# Altium PCB HIL_RIG_REV_1_2.PcbDoc (part 7 of 14)
Units mil, origin at the board's own origin, x right, y up, seen from the top; angles counter-clockwise.
Board outline 9845 x 7590 mil, 6 copper layers (Top Layer, Int1 (GND), Int2 (PWR), Int3 (Sign), Int4 (GND), Bottom Layer), stack 60.566 mil thick; 1465 components, 731 nets, 4058 pads, 3944 vias.
Unrouted connection lines stored in the file: 1754.
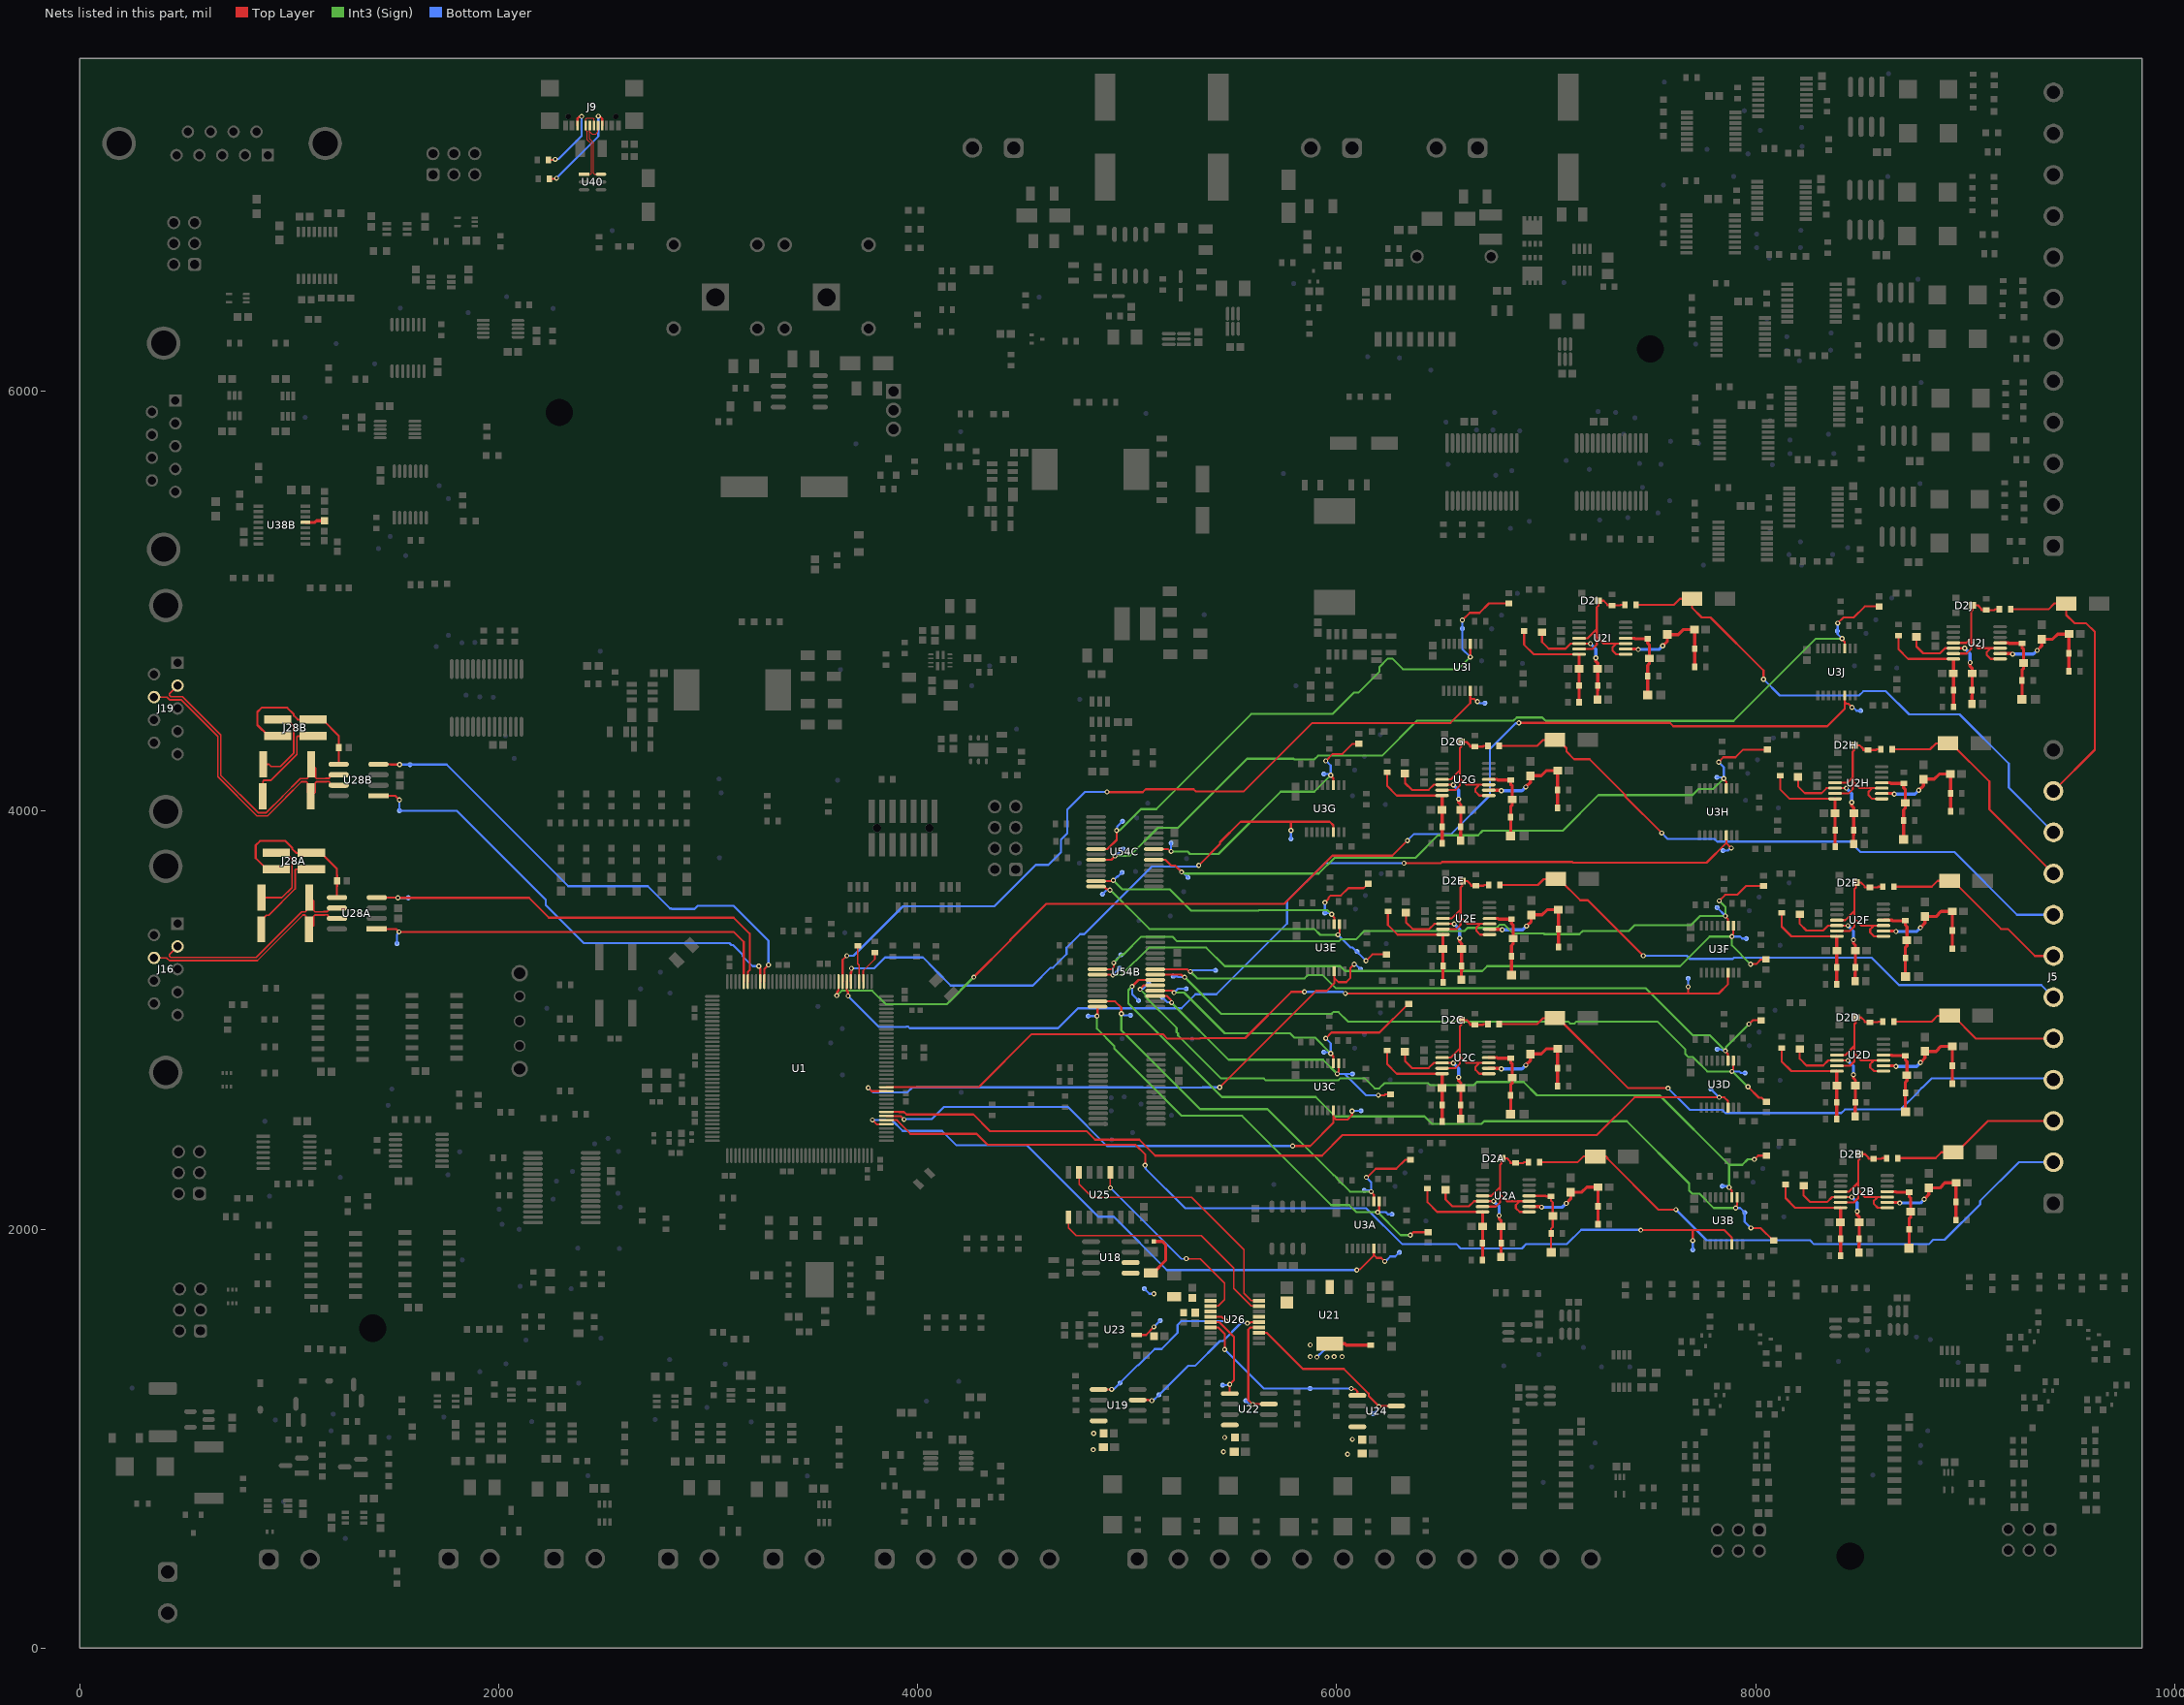
[diagram p11: the nets of this part, all layers, seen from the top]

## Via types
v1: diameter 24, hole 12, Top Layer to Bottom Layer, tented both sides, 3944 vias

## Nets (pads, with @x,y where several pads share a name; then routed paths per layer and width w, separated by ;. In a path a pad name is that pad's centre, name@x,y a point inside that pad or via, vN(x,y) a via of type N, cw(c..) or ccw(c..) an arc to the next point about the centre after c; other vN are vias at no path point) (continued)
C2_PlusB: C103B.1 U38B.5 | length 94.6
  Top Layer w15: U38B.5@1077.56,5374.79 1122.79,5374.79 1130.36,5382.36 C103B.1@1169,5382.36
CAN_Comon_nodeA: C91A.1 J28A.2 J28A.3 U28A.5 | length 773.7
  Top Layer w10: J28A.2@938.09,3718.63 893.21,3718.63 840.15,3771.69 840.15,3834 860.15,3854 982.06,3854 1014.05,3822.01 1014.05,3816.56 1033.24,3797.37 J28A.3@1106.2,3797.37 1151.08,3797.37 1228.15,3720.31 1228.15,3690.09 1228.52,3689.72 C91A.1@1228.52,3664 1228.52,3638.28 1228.15,3637.91 U28A.5@1228.15,3584
CAN_Comon_nodeB: C91B.1 J28B.2 J28B.3 U28B.5 | length 773.7
  Top Layer w10: J28B.2@946.09,4354.63 901.21,4354.63 848.15,4407.69 848.15,4470 868.15,4490 990.06,4490 1022.05,4458.01 1022.05,4452.56 1041.24,4433.37 J28B.3@1114.2,4433.37 1159.08,4433.37 1236.15,4356.31 1236.15,4326.09 1236.52,4325.72 C91B.1@1236.52,4300 1236.52,4274.28 1236.15,4273.91 U28B.5@1236.15,4220
CAN_OUTA_H: J16.7 R83A.1 U28A.7 | length 1087
  Top Layer w8: J16.7@355,3295.95 414.99,3295.95 427.84,3283.1 848.32,3283.1 1065.71,3500.5 1074.33,3500.5 1080.12,3494.71 1080.12,3450.03 1098.15,3432 1116.18,3450.03 1116.18,3494.71 1121.96,3500.5 1170.55,3500.5 1171.55,3501.5 1181.63,3501.5 1186.31,3496.81 1186.31,3493.94 1196.25,3484 U28A.7@1228.15,3484
CAN_OUTA_L: J16.2 R84A.1 U28A.6 | length 1073.9
  Top Layer w8: J16.2@466.81,3350.47 427.56,3311.22 427.56,3304.59 434.05,3298.1 842.1,3298.1 1059.5,3515.5 1075.95,3515.5 1081.74,3521.29 1081.74,3565.97 1099.76,3584 1117.79,3565.97 1117.79,3521.29 1123.58,3515.5 1164.34,3515.5 1165.34,3516.5 1181.63,3516.5 1186.31,3521.19 1186.31,3524.06 1196.25,3534 U28A.6@1228.15,3534
CAN_OUTB_H: J19.7 R83B.1 U28B.7 | length 1415.8
  Top Layer w8: J19.7@355,4540.95 415.7,4540.95 428.54,4528.1 484.08,4528.1 658.96,4353.22 658.96,4160.87 845.84,3974 896.66,3974 983.08,4060.42 983.08,4061.02 1058.89,4136.84 1083.23,4136.84 1087.92,4132.15 1087.92,4086.23 1106.15,4068 1124.18,4086.03 1124.18,4130.71 1129.96,4136.5 1178.55,4136.5 1179.55,4137.5 1189.63,4137.5 1194.31,4132.81 1194.31,4129.94 1204.25,4120 U28B.7@1236.15,4120
CAN_OUTB_L: J19.2 R84B.1 U28B.6 | length 1401.3
  Top Layer w8: J19.2@466.81,4595.47 427.91,4556.57 427.91,4549.95 434.76,4543.1 490.29,4543.1 673.96,4359.43 673.96,4167.09 852.05,3989 890.45,3989 968.08,4066.63 968.08,4067.24 1052.68,4151.84 1084.85,4151.84 1089.54,4156.52 1089.54,4201.77 1107.76,4220 1125.79,4201.97 1125.79,4157.29 1131.58,4151.5 1172.34,4151.5 1173.34,4152.5 1189.63,4152.5 1194.31,4157.19 1194.31,4160.06 1204.25,4170 U28B.6@1236.15,4170
CAN_RX_CH1: TP113A.1 U1.139 U28A.4 | length 2134
  Top Layer w10: U28A.4@1418.19,3584 1517.56,3584 v1(1519,3582.56) 2145.44,3582.56 2240,3488 3122,3488 3198,3412 3198,3238 3189.29,3229.29 U1.139@3189.29,3182.66
  Bottom Layer w10: v1(1519,3582.56) TP113A.1@1569,3582.56
CAN_RX_CH2: TP113B.1 U1.135 U28B.4 | length 2426.6
  Top Layer w10: U28B.4@1426.19,4220 1482.8,4220 1484.24,4218.56 v1(1527,4218.56) ; U1.135@3268.03,3182.66 3268.02,3242.02 v1(3288,3262)
  Bottom Layer w10: v1(1527,4218.56) 1752.08,4218.56 2332.21,3638.43 2711.57,3638.43 2818,3532 2824.64,3532 2827.64,3529 2935,3529 2950,3544 3122,3544 3288,3378 v1(3288,3262)
CAN_TermA_H: J28A.1 R83A.2 | length 435.8
  Top Layer w8: R83A.2@866.28,3432 866.28,3475.31 890.79,3499.83 902.26,3499.83 1028.05,3625.62 1028.05,3713.94 1032.74,3718.63 J28A.1@1106.2,3718.63
CAN_TermA_L: J28A.4 R84A.2 | length 391.5
  Top Layer w8: R84A.2@864.53,3584 965.22,3584 1013.05,3631.83 1013.05,3742.11 1013.39,3742.45 1013.39,3766.95 982.97,3797.37 J28A.4@938.09,3797.37
CAN_TermB_H: J28B.1 R83B.2 | length 448.6
  Top Layer w8: R83B.2@874.28,4068 874.28,4138.17 880.11,4144 913.41,4144 1036.05,4266.64 1036.05,4268.05 1036.05,4349.94 1040.74,4354.63 J28B.1@1114.2,4354.63
CAN_TermB_L: J28B.4 R84B.2 | length 396.8
  Top Layer w8: R84B.2@872.53,4220 903.66,4220 913.66,4210 958.2,4210 1021.05,4272.85 1021.05,4378.11 1021.39,4378.45 1021.39,4402.95 990.97,4433.37 J28B.4@946.09,4433.37
CAN_TX_CH1: TP112A.1 U1.140 U28A.1 | length 2027
  Top Layer w10: U28A.1@1418.19,3434 1509.72,3434 1523.72,3420 3122,3420 3169.61,3372.39 U1.140@3169.61,3182.66
  Bottom Layer w10: TP112A.1@1514.43,3363.66 1514.43,3406.64 1524,3416.21 v1(1524,3420)
CAN_TX_CH2: TP112B.1 U1.136 U28B.1 | length 2278.9
  Top Layer w10: U28B.1@1426.19,4070 1506,4070 v1(1526,4050) ; v1(3242,3256) 3242,3252.21 3248.35,3245.87 U1.136@3248.35,3182.66
  Bottom Layer w10: v1(1526,4050) TP112B.1@1526,3998 1800.63,3998 2225,3573.63 2225,3547.64 2406.64,3366 3102,3366 3111,3357 3118.36,3357 3165,3310.36 3165,3303 3212,3256 v1(3242,3256)
CC1: J9.A5 R114.2 | length 468.5
  Top Layer w10: R114.2@2242.64,7015.56 2273.56,7015.56 v1(2276,7018) ; v1(2476,7314) 2478.68,7311.32 2485.2,7311.32 2494.21,7302.31 J9.A5@2494.21,7270.12
  Bottom Layer w10: v1(2276,7018) 2476,7218 v1(2476,7314)
CC2: J9.B5 R113.2 | length 355.2
  Top Layer w10: R113.2@2237.64,7105.56 2267.56,7105.56 v1(2270,7108) ; J9.B5@2376.1,7270.12 2376.1,7302.75 2383.42,7310.08 2393.32,7310.08 v1(2396,7312.76)
  Bottom Layer w10: v1(2270,7108) 2272.09,7110.09 2286.09,7110.09 2396,7220 v1(2396,7312.76)
CON_D_N: J9.A7 J9.B7 U40.6 | length 353.5
  Top Layer w5.45: J9.A7@2435.16,7270.12 2435.16,7242.13 2434.22,7241.19 ; J9.B7@2474.53,7270.12 2474.53,7239.48 2465.05,7230 2445.41,7230 2434.22,7241.19 ; U40.6@2488.37,7037.4 2456.91,7037.4 2453.72,7040.59 2453.72,7186.8 2434.22,7206.3 2434.22,7241.19
CON_D_P: J9.A6 J9.B6 U40.1 | length 381.8
  Top Layer w5.45: U40.1@2407.63,7037.4 2439.09,7037.4 2442.28,7040.59 2442.28,7182.06 2422.78,7201.56 2422.78,7241.19 2421.84,7242.13 2421.84,7242.56 2418.65,7245.74 2418.65,7266.94 J9.B6@2415.47,7270.12 2415.47,7300.76 2420.72,7306 2450,7306 2454.84,7301.16 J9.A6@2454.84,7270.12
CONSOLE_RX_mcu: R76.1 U1.112 | length 172.9
  Top Layer w8: R76.1@3714,3352.72 3714,3268.41 3720.79,3261.63 U1.112@3720.79,3182.66
CONSOLE_TX_mcu: R66.1 U1.111 | length 161.7
  Top Layer w8: U1.111@3740.47,3182.66 3740.47,3234.47 3796,3290 R66.1@3796,3321.36
DAC_nCS: U25.3 U26.3 | length 968.7
  Top Layer w6.12: v1(4920,2198) U25.3@4920,2272.57 ; v1(5282,1860) 5350,1860 5466,1744 5466,1664.25 5435.37,1633.62 U26.3@5398.33,1633.62
  Bottom Layer w6.12: v1(4920,2198) 5258,1860 v1(5282,1860)
DAC_OUT_0: TP38.1 U19.5 U26.5 | length 851.1
  Top Layer w10: U19.5@4863.94,1235.36 4925.36,1235.36 v1(4926,1236) ; U26.5@5398.33,1582.44 5451.56,1582.44 v1(5472,1562)
  Bottom Layer w10: v1(4926,1236) 4928.68,1238.68 4938.68,1238.68 TP38.1@4968.61,1268.61 ; TP38.1@4966,1266 5051.48,1351.48 5054.13,1351.48 5131.21,1428.56 5163.92,1428.56 5241,1505.64 5241,1543.14 5259.86,1562 v1(5472,1562)
DAC_OUT_1: TP40.1 U19.3 U26.15 | length 736.3
  Top Layer w10: U19.3@5050.06,1185.36 5100.76,1185.36 5101.44,1184.68 5115.32,1184.68 v1(5118,1182) ; v1(5574,1552) 5576.68,1554.68 5590.47,1554.68 5592.63,1556.85 U26.15@5629.67,1556.85
  Bottom Layer w10: v1(5118,1182) 5121.79,1182 5129.98,1190.19 5132.19,1190.19 TP40.1@5152,1210 5290,1348 5324.02,1348 5443.02,1467 5457.64,1467 5542.64,1552 v1(5574,1552)
DAC_OUT_2: TP42.1 U22.5 U26.6 | length 455.3
  Top Layer w10: U26.6@5398.33,1556.85 5439.15,1556.85 5510,1486 5510,1280 v1(5490,1260) 5490,1235.16 5489.94,1235.1 U22.5@5489.94,1215.64
  Bottom Layer w10: TP42.1@5456,1256 5475.81,1256 5477.13,1257.32 5487.32,1257.32 v1(5490,1260)
DAC_OUT_3: TP43.1 U22.3 U26.14 | length 539.9
  Top Layer w10: U26.14@5629.67,1531.26 5588.61,1531.26 5578.14,1520.78 5578.14,1185.86 v1(5600,1164) 5601.64,1165.64 U22.3@5676.06,1165.64
  Bottom Layer w10: TP43.1@5566,1182 5581.32,1166.68 5597.32,1166.68 v1(5600,1164)
DAC_OUT_4: TP45.1 U24.5 U26.7 | length 890
  Top Layer w10: U26.7@5398.33,1531.26 5435.37,1531.26 5466,1500.62 v1(5466,1426) ; v1(6070,1240) 6072.68,1237.32 6088.08,1237.32 6098.94,1226.46 U24.5@6098.94,1207
  Bottom Layer w10: v1(5466,1426) 5652,1240 v1(6070,1240)
DAC_OUT_5: TP46.1 U24.3 U26.13 | length 855.5
  Top Layer w10: U26.13@5629.67,1505.67 5666.7,1505.67 5838.37,1334 6034.95,1334 6152.64,1216.3 6152.64,1205.36 6202,1156 v1(6202,1154) 6204,1156 6233.36,1156 6234.36,1157 U24.3@6285.06,1157
  Bottom Layer w10: TP46.1@6174,1120 6193.81,1139.81 6193.81,1142.02 6202,1150.21 v1(6202,1154)
DAC_Reg_5V: C67.2 C68.1 C84.1 C85.2 TP37.1 U18.1 U18.2 U26.2 | length 288.7
  Top Layer w15: C68.1@5114,1791.77 5124.86,1791.77 5184,1850.91 5184,1926 5168,1942 C67.2@5127.43,1942
  Bottom Layer w10: TP37.1@5082,1716 5106,1692 v1(5128,1692)
DAC_Reg_22V: C69.1 C71.2 C73.1 C76.1 C77.2 C82.1 C83.2 R67.1 TP39.1 U19.8 U21.2 U21.4 U22.8 U24.8 | length 276.1
  Top Layer w15: U21.4@5967,1453.93 6038.98,1453.93 6045.54,1447.36 R67.1@6162,1447.36
  Bottom Layer w10: v1(5906,1390) 5940.19,1424.19 5942.19,1424.19 TP39.1@5962,1444
  other v1: 6052,926 5460,938 4838,948 6075,997.64 5466,1006.28 4840,1026 5954,1390 5874,1392 5988,1392 6026,1392 5874,1448
DAC_SCK: U25.8 U26.18 | length 1172
  Top Layer w6.12: U25.8@4720,2058 4720,2008 4758,1970 5354,1970 5508.54,1815.46 5508.54,1717.71 5592.63,1633.62 U26.18@5629.67,1633.62
DAC_SDI: U25.6 U26.19 | length 1268.8
  Top Layer w6.12: U25.6@4770,2272.57 4770,2216 4834,2152 5308,2152 5558,1902 5558,1693.84 5592.63,1659.21 U26.19@5629.67,1659.21
DAC_VREF: C79.1 C81.2 C86.2 TP44.1 U23.6 U26.4 U26.16 | length 151.7
  Top Layer w10: U23.6@5034.52,1495.93 5089.93,1495.93 v1(5128,1534)
  Bottom Layer w10: v1(5128,1534) TP44.1@5158,1564
DI_3V3_vrefA: C29A.1 R4A.1 R5A.2 R6A.2 U2A.7 | length 576
  Top Layer w10: R4A.1@6434,2194.18 6434,2129 6479.98,2083.02 U2A.7@6696.66,2083.02
  Top Layer w15: U2A.7@6696.66,2083.02 6696.66,2040.08 6696.78,2039.96 C29A.1@6696.78,2014 6696.78,1958 ; R5A.2@6696.77,1854 R6A.2@6696.77,1934 6696.77,1957.99
DI_3V3_vrefB: C29B.1 R4B.1 R5B.2 R6B.2 U2B.7 | length 576
  Top Layer w10: R4B.1@8143,2214.18 8143,2149 8188.98,2103.02 U2B.7@8405.66,2103.02
  Top Layer w15: U2B.7@8405.66,2103.02 8405.66,2060.08 8405.78,2059.96 C29B.1@8405.78,2034 8405.78,1978 ; R5B.2@8405.77,1874 R6B.2@8405.77,1954 8405.77,1977.99
DI_3V3_vrefC: C29C.1 R4C.1 R5C.2 R6C.2 U2C.7 | length 576
  Top Layer w10: R4C.1@6241,2854.18 6241,2789 6286.98,2743.02 U2C.7@6503.66,2743.02
  Top Layer w15: U2C.7@6503.66,2743.02 6503.66,2700.08 6503.78,2699.96 C29C.1@6503.78,2674 6503.78,2618 ; R5C.2@6503.77,2514 R6C.2@6503.77,2594 6503.77,2617.99
DI_3V3_vrefD: C29D.1 R4D.1 R5D.2 R6D.2 U2D.7 | length 576
  Top Layer w10: R4D.1@8125,2866.18 8125,2801 8170.98,2755.02 U2D.7@8387.66,2755.02
  Top Layer w15: U2D.7@8387.66,2755.02 8387.66,2712.08 8387.78,2711.96 C29D.1@8387.78,2686 8387.78,2630 ; R5D.2@8387.77,2526 R6D.2@8387.77,2606 8387.77,2629.99
DI_3V3_vrefE: C29E.1 R4E.1 R5E.2 R6E.2 U2E.7 | length 576
  Top Layer w10: R4E.1@6245,3518.18 6245,3453 6290.98,3407.02 U2E.7@6507.66,3407.02
  Top Layer w15: U2E.7@6507.66,3407.02 6507.66,3364.08 6507.78,3363.96 C29E.1@6507.78,3338 6507.78,3282 ; R5E.2@6507.77,3178 R6E.2@6507.77,3258 6507.77,3281.99
DI_3V3_vrefF: C29F.1 R4F.1 R5F.2 R6F.2 U2F.7 | length 576
  Top Layer w10: R4F.1@8125,3510.18 8125,3445 8170.98,3399.02 U2F.7@8387.66,3399.02
  Top Layer w15: U2F.7@8387.66,3399.02 8387.66,3356.08 8387.78,3355.96 C29F.1@8387.78,3330 8387.78,3274 ; R5F.2@8387.77,3170 R6F.2@8387.77,3250 8387.77,3273.99
DI_3V3_vrefG: C29G.1 R4G.1 R5G.2 R6G.2 U2G.7 | length 576
  Top Layer w10: R4G.1@6241,4182.18 6241,4117 6286.98,4071.02 U2G.7@6503.66,4071.02
  Top Layer w15: U2G.7@6503.66,4071.02 6503.66,4028.08 6503.78,4027.96 C29G.1@6503.78,4002 6503.78,3946 ; R5G.2@6503.77,3842 R6G.2@6503.77,3922 6503.77,3945.99
DI_3V3_vrefH: C29H.1 R4H.1 R5H.2 R6H.2 U2H.7 | length 576
  Top Layer w10: R4H.1@8117,4166.18 8117,4101 8162.98,4055.02 U2H.7@8379.66,4055.02
  Top Layer w15: U2H.7@8379.66,4055.02 8379.66,4012.08 8379.78,4011.96 C29H.1@8379.78,3986 8379.78,3930 ; R5H.2@8379.77,3826 R6H.2@8379.77,3906 8379.77,3929.99
DI_3V3_vrefI: C29I.1 R4I.1 R5I.2 R6I.2 U2I.7 | length 576
  Top Layer w10: R4I.1@6895,4856.18 6895,4791 6940.98,4745.02 U2I.7@7157.66,4745.02
  Top Layer w15: U2I.7@7157.66,4745.02 7157.66,4702.08 7157.78,4701.96 C29I.1@7157.78,4676 7157.78,4620 ; R5I.2@7157.77,4516 R6I.2@7157.77,4596 7157.77,4619.99
DI_3V3_vrefJ: C29J.1 R4J.1 R5J.2 R6J.2 U2J.7 | length 576
  Top Layer w10: R4J.1@8682,4834.18 8682,4769 8727.98,4723.02 U2J.7@8944.66,4723.02
  Top Layer w15: U2J.7@8944.66,4723.02 8944.66,4680.08 8944.78,4679.96 C29J.1@8944.78,4654 8944.78,4598 ; R5J.2@8944.77,4494 R6J.2@8944.77,4574 8944.77,4597.99
DI_5V_vrefA: C31A.1 R8A.2 R9A.1 R10A.1 U2A.5 | length 580.7
  Top Layer w10: R10A.1@6519.89,2188.2 6519.89,2142.11 6552,2110 6631.87,2110 6656.07,2134.2 U2A.5@6696.66,2134.2 6749.8,2134.2 v1(6750,2134)
  Top Layer w15: v1(6776,2066) 6776,2049.43 6785.48,2039.96 C31A.1@6785.48,2014 6785.48,1988.04 R9A.1@6785.49,1934 6785.49,1910.01 6784.54,1909.06 R8A.2@6784.54,1868
  Bottom Layer w15: v1(6750,2134) 6776,2108 v1(6776,2066)
DI_5V_vrefB: C31B.1 R8B.2 R9B.1 R10B.1 U2B.5 | length 580.7
  Top Layer w10: R10B.1@8228.89,2208.2 8228.89,2162.11 8261,2130 8340.87,2130 8365.07,2154.2 U2B.5@8405.66,2154.2 8458.8,2154.2 v1(8459,2154)
  Top Layer w15: v1(8485,2086) 8485,2069.43 8494.48,2059.96 C31B.1@8494.48,2034 8494.48,2008.04 R9B.1@8494.49,1954 8494.49,1930.01 8493.54,1929.06 R8B.2@8493.54,1888
  Bottom Layer w15: v1(8459,2154) 8485,2128 v1(8485,2086)
DI_5V_vrefC: C31C.1 R8C.2 R9C.1 R10C.1 U2C.5 | length 580.7
  Top Layer w10: R10C.1@6326.89,2848.2 6326.89,2802.11 6359,2770 6438.87,2770 6463.07,2794.2 U2C.5@6503.66,2794.2 6556.8,2794.2 v1(6557,2794)
  Top Layer w15: v1(6583,2726) 6583,2709.43 6592.48,2699.96 C31C.1@6592.48,2674 6592.48,2648.04 R9C.1@6592.49,2594 6592.49,2570.01 6591.54,2569.06 R8C.2@6591.54,2528
  Bottom Layer w15: v1(6557,2794) 6583,2768 v1(6583,2726)
DI_5V_vrefD: C31D.1 R8D.2 R9D.1 R10D.1 U2D.5 | length 580.7
  Top Layer w10: R10D.1@8210.89,2860.2 8210.89,2814.11 8243,2782 8322.87,2782 8347.07,2806.2 U2D.5@8387.66,2806.2 8440.8,2806.2 v1(8441,2806)
  Top Layer w15: v1(8467,2738) 8467,2721.43 8476.48,2711.96 C31D.1@8476.48,2686 8476.48,2660.04 R9D.1@8476.49,2606 8476.49,2582.01 8475.54,2581.06 R8D.2@8475.54,2540
  Bottom Layer w15: v1(8441,2806) 8467,2780 v1(8467,2738)
DI_5V_vrefE: C31E.1 R8E.2 R9E.1 R10E.1 U2E.5 | length 580.7
  Top Layer w10: R10E.1@6330.89,3512.2 6330.89,3466.11 6363,3434 6442.87,3434 6467.07,3458.2 U2E.5@6507.66,3458.2 6560.8,3458.2 v1(6561,3458)
  Top Layer w15: v1(6587,3390) 6587,3373.43 6596.48,3363.96 C31E.1@6596.48,3338 6596.48,3312.04 R9E.1@6596.49,3258 6596.49,3234.01 6595.54,3233.06 R8E.2@6595.54,3192
  Bottom Layer w15: v1(6561,3458) 6587,3432 v1(6587,3390)
DI_5V_vrefF: C31F.1 R8F.2 R9F.1 R10F.1 U2F.5 | length 580.7
  Top Layer w10: R10F.1@8210.89,3504.2 8210.89,3458.11 8243,3426 8322.87,3426 8347.07,3450.2 U2F.5@8387.66,3450.2 8440.8,3450.2 v1(8441,3450)
  Top Layer w15: v1(8467,3382) 8467,3365.43 8476.48,3355.96 C31F.1@8476.48,3330 8476.48,3304.04 R9F.1@8476.49,3250 8476.49,3226.01 8475.54,3225.06 R8F.2@8475.54,3184
  Bottom Layer w15: v1(8441,3450) 8467,3424 v1(8467,3382)
DI_5V_vrefG: C31G.1 R8G.2 R9G.1 R10G.1 U2G.5 | length 580.7
  Top Layer w10: R10G.1@6326.89,4176.2 6326.89,4130.11 6359,4098 6438.87,4098 6463.07,4122.2 U2G.5@6503.66,4122.2 6556.8,4122.2 v1(6557,4122)
  Top Layer w15: v1(6583,4054) 6583,4037.43 6592.48,4027.96 C31G.1@6592.48,4002 6592.48,3976.04 R9G.1@6592.49,3922 6592.49,3898.01 6591.54,3897.06 R8G.2@6591.54,3856
  Bottom Layer w15: v1(6557,4122) 6583,4096 v1(6583,4054)
DI_5V_vrefH: C31H.1 R8H.2 R9H.1 R10H.1 U2H.5 | length 580.7
  Top Layer w10: R10H.1@8202.89,4160.2 8202.89,4114.11 8235,4082 8314.87,4082 8339.07,4106.2 U2H.5@8379.66,4106.2 8432.8,4106.2 v1(8433,4106)
  Top Layer w15: v1(8459,4038) 8459,4021.43 8468.48,4011.96 C31H.1@8468.48,3986 8468.48,3960.04 R9H.1@8468.49,3906 8468.49,3882.01 8467.54,3881.06 R8H.2@8467.54,3840
  Bottom Layer w15: v1(8433,4106) 8459,4080 v1(8459,4038)
DI_5V_vrefI: C31I.1 R8I.2 R9I.1 R10I.1 U2I.5 | length 580.7
  Top Layer w10: R10I.1@6980.89,4850.2 6980.89,4804.11 7013,4772 7092.87,4772 7117.07,4796.2 U2I.5@7157.66,4796.2 7210.8,4796.2 v1(7211,4796)
  Top Layer w15: v1(7237,4728) 7237,4711.43 7246.48,4701.96 C31I.1@7246.48,4676 7246.48,4650.04 R9I.1@7246.49,4596 7246.49,4572.01 7245.54,4571.06 R8I.2@7245.54,4530
  Bottom Layer w15: v1(7211,4796) 7237,4770 v1(7237,4728)
DI_5V_vrefJ: C31J.1 R8J.2 R9J.1 R10J.1 U2J.5 | length 580.7
  Top Layer w10: R10J.1@8767.89,4828.2 8767.89,4782.11 8800,4750 8879.87,4750 8904.07,4774.2 U2J.5@8944.66,4774.2 8997.8,4774.2 v1(8998,4774)
  Top Layer w15: v1(9024,4706) 9024,4689.43 9033.48,4679.96 C31J.1@9033.48,4654 9033.48,4628.04 R9J.1@9033.49,4574 9033.49,4550.01 9032.54,4549.06 R8J.2@9032.54,4508
  Bottom Layer w15: v1(8998,4774) 9024,4748 v1(9024,4706)
DI_12V_vrefA: C32A.1 R14A.2 R15A.1 R16A.1 U2A.9 | length 566.1
  Top Layer w10: v1@6972.42,2108.61 6975.21,2105.82 v1(6979,2105.82)
  Top Layer w15: U2A.9@6919.13,2108.61 v1@6972.42,2108.61 ; v1(7095.89,2123.79) 7117.89,2145.79 R16A.1@7117.89,2177.28 7170.18,2177.28 7194.7,2201.79 C32A.1@7247.89,2201.79 R15A.1@7247.89,2109.79 R14A.2@7247.89,2023.79
  Bottom Layer w15: v1(6979,2105.82) 7077.92,2105.82 v1(7095.89,2123.79)
DI_12V_vrefB: C32B.1 R14B.2 R15B.1 R16B.1 U2B.9 | length 566.1
  Top Layer w10: v1@8681.42,2128.61 8684.21,2125.82 v1(8688,2125.82)
  Top Layer w15: U2B.9@8628.13,2128.61 v1@8681.42,2128.61 ; v1(8804.89,2143.79) 8826.89,2165.79 R16B.1@8826.89,2197.28 8879.18,2197.28 8903.7,2221.79 C32B.1@8956.89,2221.79 R15B.1@8956.89,2129.79 R14B.2@8956.89,2043.79
  Bottom Layer w15: v1(8688,2125.82) 8786.92,2125.82 v1(8804.89,2143.79)
DI_12V_vrefC: C32C.1 R14C.2 R15C.1 R16C.1 U2C.9 | length 566.1
  Top Layer w10: v1@6779.42,2768.61 6782.21,2765.82 v1(6786,2765.82)
  Top Layer w15: U2C.9@6726.13,2768.61 v1@6779.42,2768.61 ; v1(6902.89,2783.79) 6924.89,2805.79 R16C.1@6924.89,2837.28 6977.18,2837.28 7001.7,2861.79 C32C.1@7054.89,2861.79 R15C.1@7054.89,2769.79 R14C.2@7054.89,2683.79
  Bottom Layer w15: v1(6786,2765.82) 6884.92,2765.82 v1(6902.89,2783.79)
DI_12V_vrefD: C32D.1 R14D.2 R15D.1 R16D.1 U2D.9 | length 566.1
  Top Layer w10: v1@8663.42,2780.61 8666.21,2777.82 v1(8670,2777.82)
  Top Layer w15: U2D.9@8610.13,2780.61 v1@8663.42,2780.61 ; v1(8786.89,2795.79) 8808.89,2817.79 R16D.1@8808.89,2849.28 8861.18,2849.28 8885.7,2873.79 C32D.1@8938.89,2873.79 R15D.1@8938.89,2781.79 R14D.2@8938.89,2695.79
  Bottom Layer w15: v1(8670,2777.82) 8768.92,2777.82 v1(8786.89,2795.79)
DI_12V_vrefE: C32E.1 R14E.2 R15E.1 R16E.1 U2E.9 | length 566.1
  Top Layer w10: v1@6783.42,3432.61 6786.21,3429.82 v1(6790,3429.82)
  Top Layer w15: U2E.9@6730.13,3432.61 v1@6783.42,3432.61 ; v1(6906.89,3447.79) 6928.89,3469.79 R16E.1@6928.89,3501.28 6981.18,3501.28 7005.7,3525.79 C32E.1@7058.89,3525.79 R15E.1@7058.89,3433.79 R14E.2@7058.89,3347.79
  Bottom Layer w15: v1(6790,3429.82) 6888.92,3429.82 v1(6906.89,3447.79)
DI_12V_vrefF: C32F.1 R14F.2 R15F.1 R16F.1 U2F.9 | length 566.1
  Top Layer w10: v1@8663.42,3424.61 8666.21,3421.82 v1(8670,3421.82)
  Top Layer w15: U2F.9@8610.13,3424.61 v1@8663.42,3424.61 ; v1(8786.89,3439.79) 8808.89,3461.79 R16F.1@8808.89,3493.28 8861.18,3493.28 8885.7,3517.79 C32F.1@8938.89,3517.79 R15F.1@8938.89,3425.79 R14F.2@8938.89,3339.79
  Bottom Layer w15: v1(8670,3421.82) 8768.92,3421.82 v1(8786.89,3439.79)
DI_12V_vrefG: C32G.1 R14G.2 R15G.1 R16G.1 U2G.9 | length 566.1
  Top Layer w10: v1@6779.42,4096.61 6782.21,4093.82 v1(6786,4093.82)
  Top Layer w15: U2G.9@6726.13,4096.61 v1@6779.42,4096.61 ; v1(6902.89,4111.79) 6924.89,4133.79 R16G.1@6924.89,4165.28 6977.18,4165.28 7001.7,4189.79 C32G.1@7054.89,4189.79 R15G.1@7054.89,4097.79 R14G.2@7054.89,4011.79
  Bottom Layer w15: v1(6786,4093.82) 6884.92,4093.82 v1(6902.89,4111.79)
DI_12V_vrefH: C32H.1 R14H.2 R15H.1 R16H.1 U2H.9 | length 566.1
  Top Layer w10: v1@8655.42,4080.61 8658.21,4077.82 v1(8662,4077.82)
  Top Layer w15: U2H.9@8602.13,4080.61 v1@8655.42,4080.61 ; v1(8778.89,4095.79) 8800.89,4117.79 R16H.1@8800.89,4149.28 8853.18,4149.28 8877.7,4173.79 C32H.1@8930.89,4173.79 R15H.1@8930.89,4081.79 R14H.2@8930.89,3995.79
  Bottom Layer w15: v1(8662,4077.82) 8760.92,4077.82 v1(8778.89,4095.79)
DI_12V_vrefI: C32I.1 R14I.2 R15I.1 R16I.1 U2I.9 | length 566.1
  Top Layer w10: v1@7433.42,4770.61 7436.21,4767.82 v1(7440,4767.82)
  Top Layer w15: U2I.9@7380.13,4770.61 v1@7433.42,4770.61 ; v1(7556.89,4785.79) 7578.89,4807.79 R16I.1@7578.89,4839.28 7631.18,4839.28 7655.7,4863.79 C32I.1@7708.89,4863.79 R15I.1@7708.89,4771.79 R14I.2@7708.89,4685.79